# KiCad board mist1010.kicad_pcb (continued)
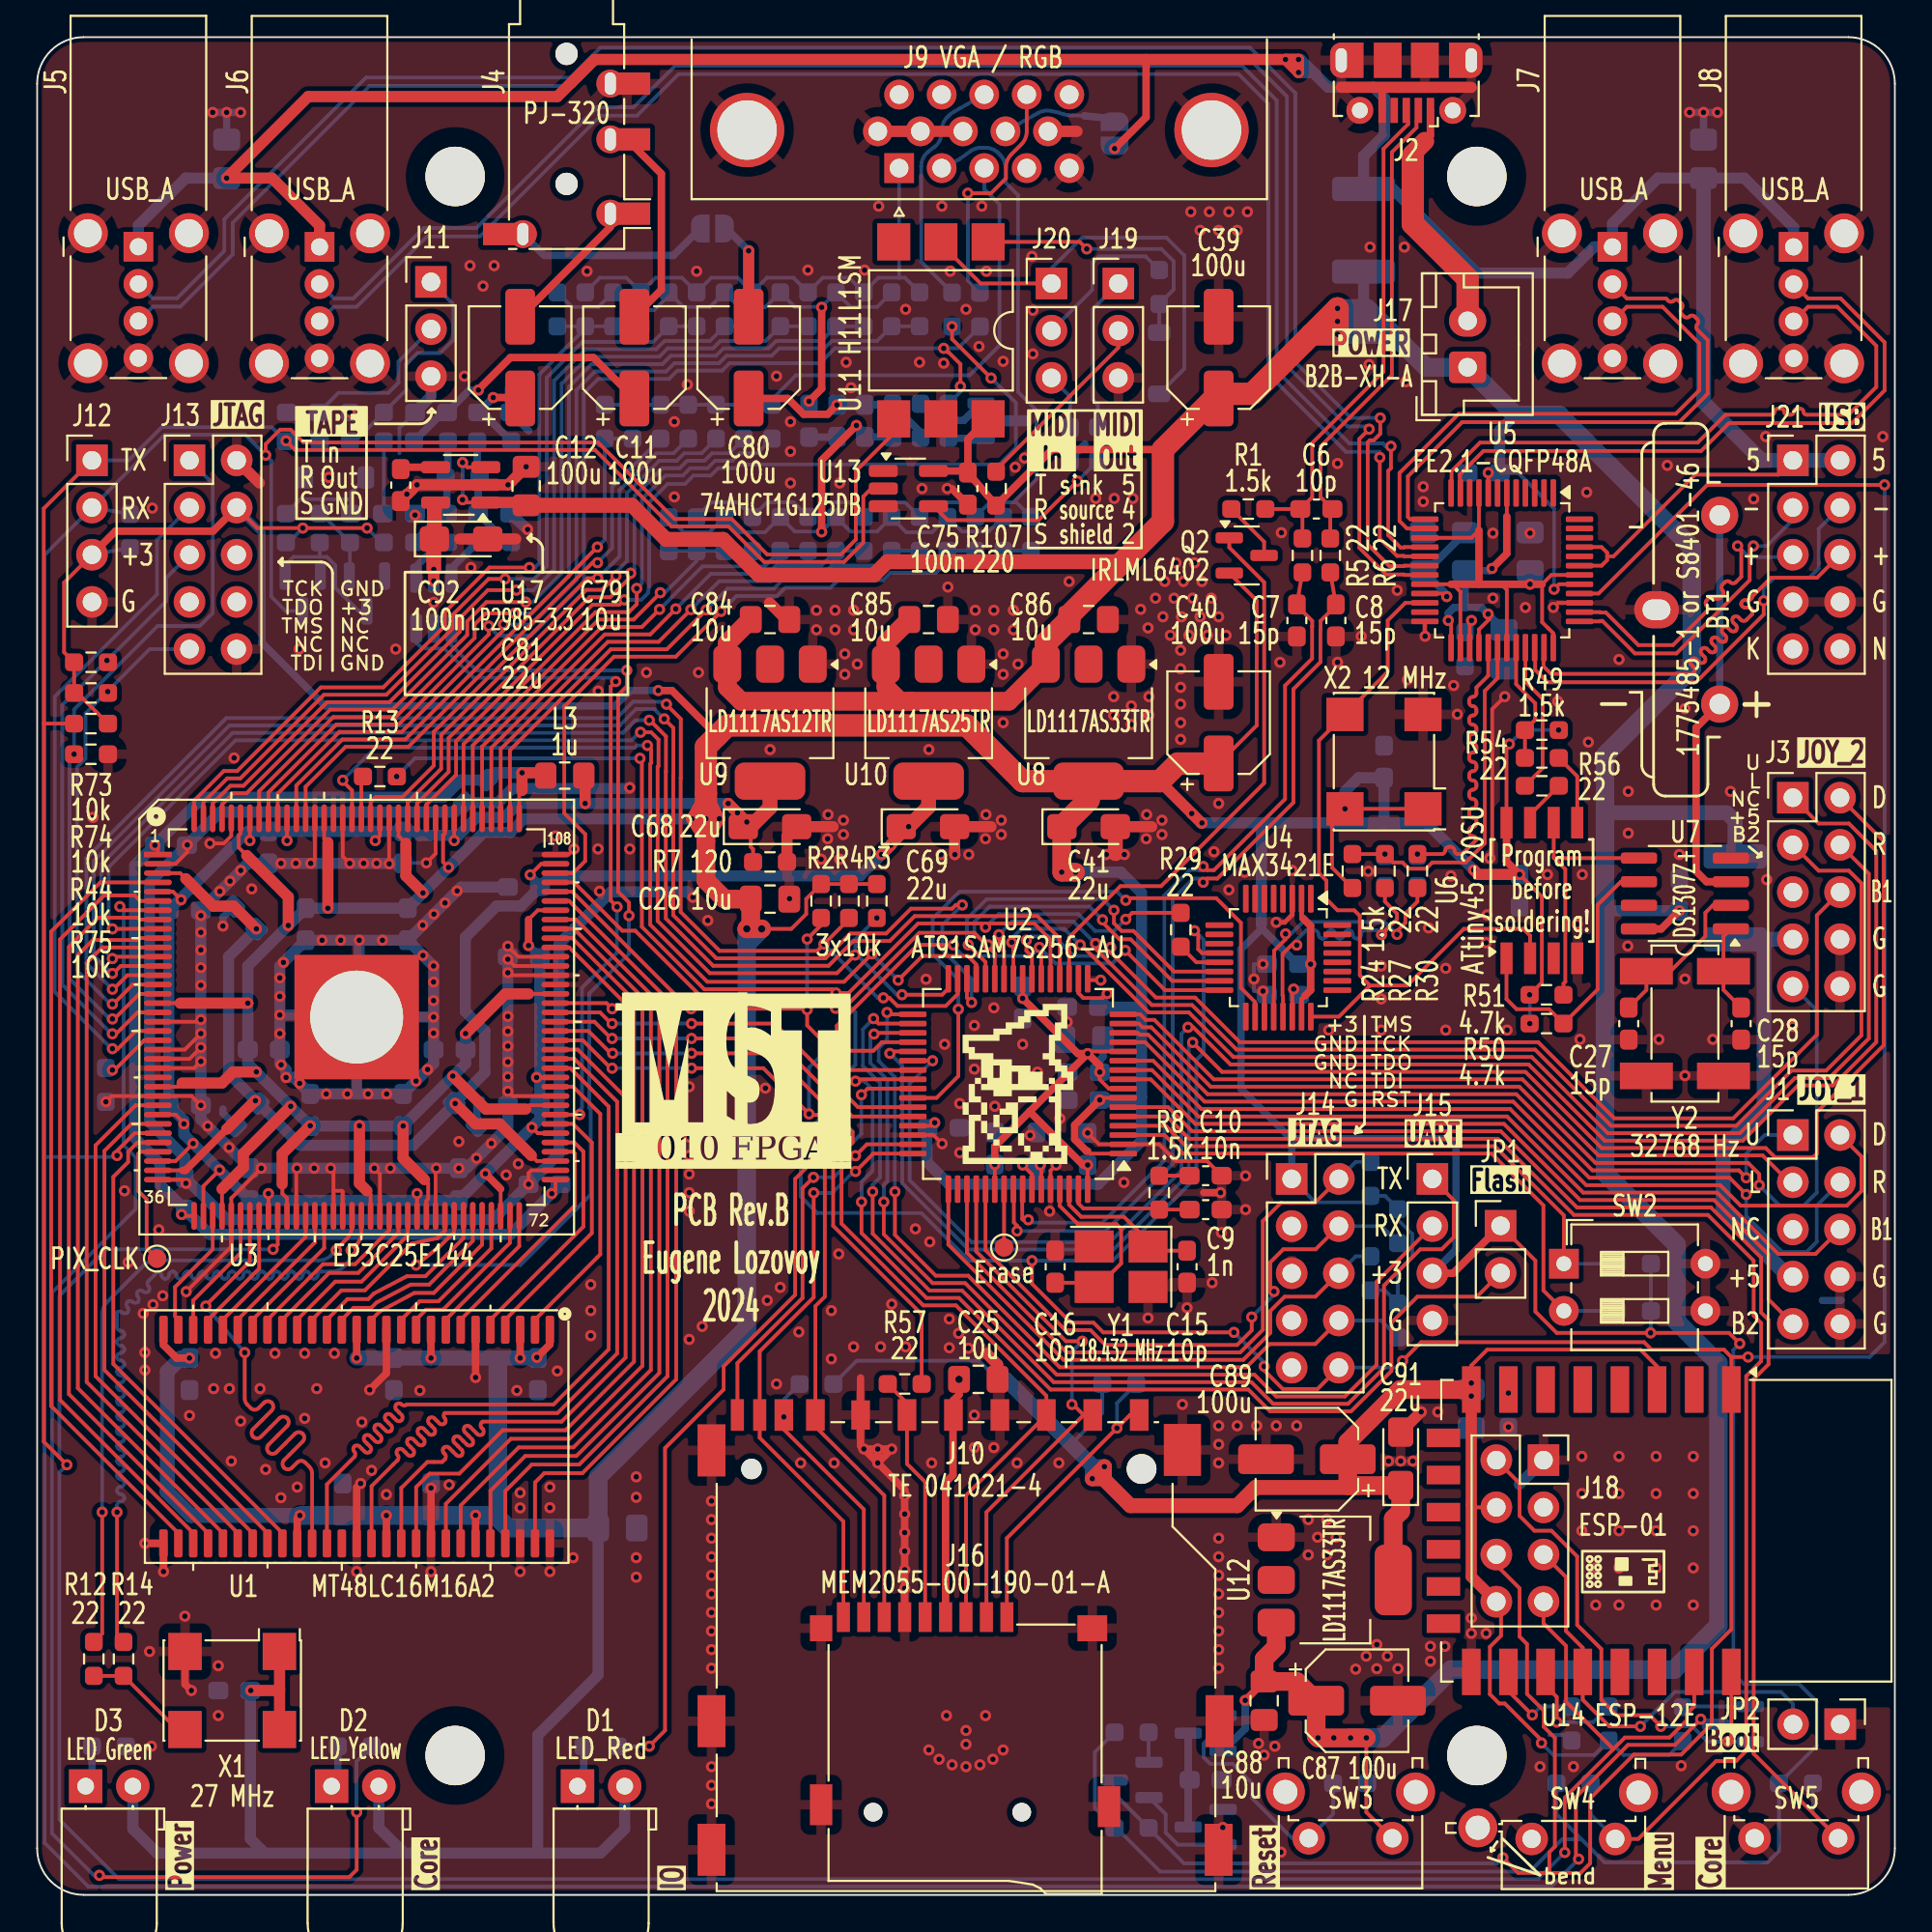
[diagram p0: board, top side]
## Routing (per net, layer and track width the routed paths; a pad name or vN(x,y) marks a point on that pad's centre or on a via; arc(x,y) is an arc through that point) (continued)
  Top w0.2: U3.79 28.85,41.5 29.86,40.49 29.86,35.62 25.2,30.96
/RAM_DQ2: length 12.8
  Top w0.2: 24.4,30.96 29.4,35.97 29.4,40.01 28.92,40.5 U3.77
/RAM_DQ3: length 13.1
  Top w0.2: U1.7 22.8,30.96 28.95,37.11 28.95,39.9 28.85,40 U3.76
/RAM_DQ4: length 7.2
  Top w0.2: U3.72 25.95,34.91 22,30.96
/RAM_DQ5: length 8.2
  Top w0.2: U3.71 25.45,35.1 21.85,31.5 20.94,31.5 20.4,30.96
/RAM_DQ6: length 8.2
  Top w0.2: U3.69 24.45,34.8 21.6,31.95 20.59,31.95 19.6,30.96
/RAM_DQ7: length 9
  Top w0.2: 18,30.96 18.44,31.41 20.3,32.4 21.35,32.4 23.95,35 U3.68
/RAM_DQ8: length 41.8
  Top w0.2: U3.86 28.92,45 31.22,42.69 31.22,29.14 28.01,25.94 21.94,25.94 arc(21.88,25.8) 21.94,25.66 arc(21.99,25.52) 21.94,25.39 21.93,25.38 arc(21.79,25.32) 21.65,25.38 21.38,25.65 arc(21.24,25.71) 21.1,25.65 21.1,25.65 arc(21.04,25.51) 21.1,25.37 21.37,25.1 arc(21.43,24.96) 21.37,24.82 21.36,24.81 arc(21.23,24.76) 21.09,24.81 20.81,25.09 arc(20.68,25.15) 20.54,25.09 20.53,25.08 arc(20.47,24.94) 20.53,24.81 20.81,24.53 arc(20.86,24.39) 20.81,24.25 20.8,24.25 arc(20.66,24.19) 20.52,24.25 20.25,24.52 arc(20.11,24.58) 19.97,24.52 19.96,24.52 arc(19.91,24.38) 19.96,24.24 20.24,23.96 arc(20.3,23.83) 20.24,23.69 20.23,23.68 arc(20.1,23.62) 19.96,23.68 19.68,23.96 arc(19.54,24.01) 19.41,23.96 19.4,23.95 arc(19.34,23.81) 19.4,23.67 arc(19.46,23.54) 19.4,23.4 18,22 U1.42
/RAM_DQ9: length 41.4
  Top w0.2: U1.44 19.6,21.9 21,23.3 21.8,23.3 21.95,23.45 arc(22,23.59) 21.95,23.73 21.89,23.78 arc(21.83,23.93) 21.89,24.07 arc(22.03,24.13) 22.17,24.07 22.57,23.67 arc(22.71,23.61) 22.85,23.67 arc(22.91,23.81) 22.85,23.95 22.45,24.35 arc(22.4,24.49) 22.45,24.63 arc(22.6,24.69) 22.74,24.63 23.13,24.24 arc(23.27,24.18) 23.42,24.24 arc(23.47,24.38) 23.42,24.52 23.02,24.92 arc(22.96,25.06) 23.02,25.2 arc(23.16,25.26) 23.3,25.2 23.7,24.8 arc(23.84,24.74) 23.98,24.8 arc(24.04,24.94) 23.98,25.09 23.92,25.14 arc(23.87,25.28) 23.92,25.42 23.97,25.47 28.23,25.47 31.67,28.92 31.67,42.93 29.1,45.5 U3.87
/RAM_DQ10: length 42
  Top w0.2: U1.45 20.4,21.95 21.13,22.67 22.72,22.67 25.06,25.01 28.44,25.01 32.13,28.7 32.13,47.51 28.64,51 U3.98
/RAM_DQ11: length 41.3
  Top w0.2: U1.47 22,21.05 25.5,24.55 28.65,24.55 32.58,28.48 32.58,47.72 28.8,51.5 U3.99
/RAM_DQ12: length 41.8
  Top w0.2: U1.48 22.8,20.97 25.92,24.09 28.87,24.09 33.04,28.26 33.04,47.86 28.9,52 U3.100
/RAM_DQ13: length 41.9
  Top w0.2: U3.101 29,52.5 33.49,48.01 33.49,28.09 29.03,23.62 26.28,23.62 24.4,21.75 U1.50
/RAM_DQ14: length 42.6
  Top w0.2: 26.62,23.16 29.18,23.16 33.93,27.91 33.93,48.2 28.64,53.5 U3.103 ; 26.62,23.15 25.2,21.74 U1.51
/RAM_DQ15: length 42.6
  Top w0.2: U1.53 26.8,22.2 27.3,22.7 29.35,22.7 34.4,27.75 34.4,27.78 34.4,48.4 28.8,54 U3.104
/RAM_DQMH: length 43.6
  Top w0.2: U3.85 28.7,44.5 30.77,42.43 30.77,29.37 27.8,26.4 19.9,26.4 arc(19.76,26.34) 19.62,26.4 arc(19.48,26.46) 19.33,26.4 arc(19.28,26.26) 19.33,26.12 19.62,25.83 arc(19.68,25.69) 19.62,25.55 arc(19.48,25.49) 19.33,25.55 19.05,25.83 arc(18.91,25.89) 18.77,25.83 arc(18.71,25.69) 18.77,25.55 19.05,25.27 arc(19.11,25.13) 19.05,24.99 arc(18.91,24.93) 18.77,24.99 18.49,25.27 arc(18.34,25.33) 18.2,25.27 arc(18.14,25.13) 18.2,24.99 18.49,24.7 arc(18.54,24.56) 18.49,24.42 arc(18.34,24.36) 18.2,24.42 17.92,24.7 arc(17.78,24.76) 17.64,24.7 arc(17.58,24.56) 17.64,24.42 17.92,24.14 arc(17.98,24) 17.92,23.85 arc(17.78,23.8) 17.64,23.85 17.35,24.14 arc(17.21,24.2) 17.07,24.14 arc(17.01,24) 17.07,23.85 arc(17.13,23.71) 17.07,23.57 15.6,22.1 U1.39
/RAM_DQML: length 10
  Top w0.2: U3.67 23.45,35.2 21.1,32.85 20.1,32.85 18.27,31.88 17.98,31.6 17.04,31.6 16.4,30.96
/RTC_DN: length 6.6
  Top w0.2: R54.2 R49.2 80.64,63.25 80.64,64.14 79.61,65.17 U5.32
/RTC_DP: length 8.2
  Top w0.2: R56.2 81.04,60.65 81.04,64.38 80.11,65.31 U5.33
/RX_ARM: length 53
  Top w0.2: v1(45.05,46.34) 45.11,46.4 U2.35 ; v1(45.57,37.3) 45.57,35.56 48.2,32.93 49.95,32.93 54.88,28 65.53,28 66.7,26.83 70.4,26.83 72.1,28.53 72.1,32.99 J15.2
  Bottom w0.2: v1(45.05,46.34) 44.85,46.14 44.85,44.78 45.77,43.86 45.77,38.42 45.57,38.22 v1(45.57,37.3)
/RX_FPGA: length 243
  Top w0.2: v1(82.98,1.92) 82.83,2.07 82.83,5.27 85.64,8.07 88.16,8.07 v1(89.55,9.46) ; v1(12.3,77.5) 12.3,78.09 13.08,78.87 13.65,78.87 14.34,78.18 30.2,78.18 34.31,74.06 37.39,74.06 39.3,72.15 43.26,72.15 44.07,72.96 44.07,76.64 46.11,78.68 U11.4 ; U3.31 5.25,41 4.3,40.05 v1(4.3,39.8)
  Bottom w0.2: 0.4,39.71 4.21,39.71 v1(4.3,39.8) ; v1(89.55,9.46) 89.82,9.19 Q3.3 ; J12.2 R48.1 ; J12.2 0.4,72.13 0.4,2.8 2.75,0.45 81.5,0.45 v1(82.98,1.92) ; J12.2 6.87,78.6 11.2,78.6 12.6,77.2 12.6,69.89 13.38,69.11 Q1.3
/SCK: length 85.8
  Top w0.2: v1(58.6,52.51) 58.95,52.86 R29.1 ; U2.21 54.55,51.41 53.67,52.29 51.25,52.29 v1(51.05,52.09) 50.85,52.29 47.42,52.29 43.68,48.55 v1(43,48.55) 42.8,48.75 35.91,48.75 32.55,52.11 32.55,61.08 v1(32.45,61.18) ; R57.1 47.61,31.25 42.85,36.01 42.85,40.34 v1(43.3,40.79)
  Bottom w0.2: v1(58.6,52.51) 57.97,51.89 56.95,51.89 56.04,52.8 51.76,52.8 v1(51.05,52.09) ; v1(19.35,60.2) 20.33,61.18 v1(32.45,61.18) ; v1(43,48.55) 44.05,47.5 44.05,44.69 43.45,44.09 43.45,40.94 v1(43.3,40.79)
/SD_CD: length 32.1
  Top w0.2: v1(41.8,37.79) 41.8,32.17 38.9,29.26 38.9,25.72 38.9,24.6 43.4,20.1 J16.9 ; v1(44.05,38.94) 45.01,39.9 U2.48
  Bottom w0.2: v1(44.05,38.94) 43.96,38.94 42.81,37.79 v1(41.8,37.79)
/SD_CLK: length 13.4
  Top w0.2: J16.5 47.8,22.23 46.82,23.2 46.82,26.46 R57.2
/SD_DAT1: length 14.7
  Top w0.2: v1(40.19,25.72) 40.19,25.05 44.5,20.75 J16.8
  Bottom w0.2: v1(40.19,25.72) 40.19,26.66 R64.2
/SD_DAT2: length 16.9
  Top w0.2: J16.1 52.2,19.2 58.83,25.83 J10.9
  Bottom w0.2: v1(58.12,25.12) 58.12,26.46 R53.2
/SD_VDD: length 13.1
  Top w0.4: 49.3,25.7 49.3,22.6 48.9,22.2 J16.4 ; v2(49.62,27.75) 49.62,26.92 49.32,26.62 49.32,25.72
/SD_WP: length 20.7
  Top w0.2: U2.47 44.66,40.4 v1(44.05,39.79) ; v1(41.79,38.62) 41.2,38.04 41.2,32.13 37.69,28.62 37.69,25.72
  Bottom w0.2: v1(44.05,39.79) 42.89,38.62 v1(41.79,38.62)
/SS0: length 19.7
  Top w0.2: U4.14 61.2,49.7 59.01,51.89 58.38,51.89 57.96,52.3 57.96,53 v1(57.96,53) ; U2.28 51.05,50.21 v1(50.12,51.14)
  Bottom w0.2: v1(50.12,51.14) 50.05,51.21 50.05,52.54 51.11,53.6 57.37,53.6 v1(57.96,53)
/SS1: length 29.1
  Top w0.2: 56.33,25.83 51.1,20.6 J16.2 ; 56.33,25.83 55.76,26.4 v1(55.7,26.4) ; 56.33,25.83 J10.1 ; v1(56.26,29.8) 55.38,29.8 50.55,34.63 U2.52
  Bottom w0.2: v1(56.26,29.8) 55.7,29.24 v1(55.7,26.4)
/SS2/FPGA: length 50.7
  Top w0.2: U2.29 50.55,50.09 50.1,50.54 47.65,50.54 v1(46.35,49.24) ; v1(44.94,50.65) 43.43,49.15 36.08,49.15 33,52.22 33,60.88 33.05,60.93 33.05,61.67 v1(32.85,61.87) ; v1(16.45,60) 16.45,59.95 16.95,59.45 U3.127
  Bottom w0.2: v1(32.85,61.87) 32.29,61.87 32.16,61.75 18.2,61.75 v1(16.45,60) ; v1(46.35,49.24) v1(44.94,50.65)
/SS3/OSD: length 21.4
  Top w0.2: U3.91 30.3,47.5 30.9,46.9 v1(30.95,46.9) ; v1(35.22,46.9) 39.69,46.9 44.19,42.4 U2.43
  Bottom w0.2: 31.05,46.9 v1(30.95,46.9) v1(35.22,46.9)
/SS4/SD_DIRECT: length 21.3
  Top w0.2: v1(35.22,46.1) 39.68,46.1 43.88,41.9 U2.44 ; v1(30.95,46.1) 30.9,46.1 30,47 U3.90
  Bottom w0.2: v1(35.22,46.1) v1(30.95,46.1)
/Switch1: length 31.2
  Top w0.2: SW2.1 82.18,36.58 78.46,40.3 61.85,40.3 60.75,41.4 U2.4
  Bottom w0.2: R60.2 SW2.1
/Switch2: length 33.2
  Top w0.2: SW2.2 81.08,32.53 81.08,37.11 78.3,39.9 61.68,39.9 60.68,40.9 U2.3
  Bottom w0.2: R61.2 SW2.2
/TAPE_IN: length 12.3
  Bottom w0.2: J11.1 22.4,85.62 22.4,83.7 21.7,83 20.48,83 19.85,82.37 19.85,80.99 R67.1 17.11,78.25 R65.1
/TAPE_OUT: length 8.6
  Bottom w0.2: C23.1 16.21,80.85 18.9,80.85 19.45,81.4 19.45,82.53 J11.2
/TX_ARM: length 59.6
  Top w0.2: J15.1 76.25,37.39 76.25,35.4 75.6,34.75 74.45,34.75 72.5,32.8 72.5,28.37 70.56,26.43 66.54,26.43 65.37,27.6 54.72,27.6 49.79,32.53 48.04,32.53 44.97,35.59 v1(44.97,37.85) ; U2.34 45.29,46.9 v1(45.02,47.17)
  Bottom w0.2: v1(44.97,37.85) 44.97,38.22 45.37,38.62 45.37,43.7 44.45,44.62 44.45,46.6 v1(45.02,47.17)
/TX_FPGA: length 256.6
  Top w0.2: 84.85,7.85 82.23,5.23 v1(82.23,2.28) ; 84.85,7.85 85.47,8.47 87.87,8.47 88.8,9.4 88.8,9.75 89.2,10.15 U14.21 ; 84.85,7.85 82.3,10.4 82.3,13.4 81.09,14.61 J18.7 ; v1(13.4,78.27) 13.89,77.78 30.03,77.78 34.15,73.66 37.22,73.66 39.13,71.75 43.43,71.75 44.47,72.79 44.47,75.27 44.9,75.7 45.97,75.7 ; U3.46 12.95,35 v1(12.7,34.75) ; 0.35,63.05 0.35,74.62 J12.1 ; 0.35,63.05 R44.2 ; 0.35,63.05 0.35,24.4 v1(1.6,23.15)
  Bottom w0.2: v1(82.23,2.28) 80.8,0.85 4.4,0.85 1.2,4.05 1.2,22.75 v1(1.6,23.15) 1.2,23.55 1.2,32.25 3.7,34.75 v1(12.7,34.75) ; J12.1 4.92,77.22 6.7,79 12.64,79 R52.1
/UDN: length 24.8
  Top w0.2: 74.25,95.48 74.25,95.13 72.93,93.81 72.93,81.81 69.09,77.97 69.09,75.24 C6.2 ; R6.1 69.61,74.49
/UDP: length 26.6
  Top w0.2: 73.8,95.48 73.8,95.32 72.47,93.99 72.47,81.99 68.63,78.15 68.63,75.24 C6.1 R1.2 ; R5.1 68.11,74.49
/USB1_DN: length 101.3
  Top w0.2: v1(72.3,79.5) 72.3,78.86 72.3,78.65 71.95,78.3 71.74,78.3 71.62,78.19 71.62,72.69 72.79,71.52 73.57,71.52 73.59,71.55 U5.18
  Bottom w0.2: v1(72.3,79.5) 70.72,79.5 67.72,82.49 67.72,96.99 65.29,99.43 30.31,99.43 28.71,97.82 17.71,97.82 10.08,90.19 10.08,88.49 7.53,85.95 6.22,85.95 J5.2
/USB1_DP: length 100.7
  Top w0.2: v1(71.7,78.9) 71.18,78.38 71.18,72.51 72.61,71.07 73.57,71.07 73.59,71.05 U5.19
  Bottom w0.2: v1(71.7,78.9) 71.55,79.05 70.53,79.05 67.28,82.31 67.28,96.81 65.1,98.98 30.5,98.98 28.89,97.38 17.89,97.38 10.53,90.01 10.53,88.31 7.71,85.49 6.22,85.49 J5.3
/USB2_DN: length 87.3
  Top w0.2: v1(72.88,77.98) 72.88,76.8 72.72,76.65 72.72,73.19 73.39,72.52 73.57,72.52 73.59,72.55 U5.16
  Bottom w0.2: J6.2 15.97,85.94 17.02,85.94 20.81,89.72 23.65,89.72 30.15,96.22 32.11,96.22 34.34,98.46 64.86,98.46 66.72,96.59 66.72,82.04 70.64,78.12 72.44,78.12 72.59,77.98 v1(72.88,77.98)
/USB2_DP: length 87
  Top w0.2: U5.17 73.59,72.05 73.57,72.07 73.21,72.07 72.28,73.01 72.28,77.37 v1(72.27,77.37)
  Bottom w0.2: v1(72.27,77.37) 72.27,77.66 72.26,77.67 70.46,77.67 66.28,81.86 66.28,96.41 64.67,98.01 34.53,98.01 32.29,95.77 30.33,95.77 23.83,89.27 20.99,89.27 17.2,85.48 15.97,85.48 J6.3
/USB3_DN: length 31.3
  Top w0.2: J7.2 85.57,85.94 87.68,85.94 87.81,85.81 arc(87.95,85.75) 88.09,85.81 arc(88.23,85.87) 88.37,85.81 88.52,85.67 arc(88.57,85.53) 88.52,85.38 arc(88.46,85.24) 88.52,85.1 88.66,84.96 arc(88.8,84.9) 88.94,84.96 arc(89.08,85.02) 89.22,84.96 89.36,84.82 arc(89.42,84.68) 89.36,84.54 arc(89.31,84.39) 89.36,84.25 89.93,83.69 89.93,80.81 88.39,79.27 76.71,79.27 73.79,76.36 73.79,74.17 73.91,74.05 U5.13
/USB3_DP: length 30.4
  Top w0.2: J7.3 85.57,85.48 87.5,85.48 89.47,83.51 89.47,80.99 88.21,79.72 76.52,79.72 73.34,76.54 73.34,73.95 73.74,73.55 U5.14
/USB4_DN: length 33.9
  Top w0.2: 76.59,76.07 76.59,76.46 77.86,77.73 89.57,77.73 91.07,79.22 97.69,79.22 99.45,80.98 99.45,83.57 97.08,85.94 95.32,85.94 J8.2
/USB4_DP: length 33.9
  Top w0.2: 76.14,76.07 76.14,76.64 77.67,78.17 89.39,78.17 90.89,79.67 93.36,79.67 arc(93.48,79.72) 93.52,79.83 arc(93.57,79.95) 93.68,79.99 93.88,79.99 arc(94,79.95) 94.04,79.83 arc(94.09,79.72) 94.2,79.67 94.4,79.67 arc(94.52,79.72) 94.56,79.83 arc(94.61,79.95) 94.72,79.99 94.92,79.99 arc(95.04,79.95) 95.08,79.83 arc(95.13,79.72) 95.24,79.67 97.51,79.67 99,81.17 99,83.38 96.9,85.48 95.32,85.48 J8.3
/USB6_DN: length 23.2
  Top w0.2: v1(92.94,69.66) 92.94,68.92 89.29,65.27 81.31,65.27 80.64,65.94 80.64,66.52
  Bottom w0.2: J21.4 95.9,73.53 95.9,71.4 95.4,70.9 93.5,70.9 92.94,70.34 v1(92.94,69.66)
/USB6_DP: length 24.9
  Top w0.2: 81.09,66.52 81.09,66.13 81.49,65.72 89.11,65.72 89.18,65.8 arc(89.24,65.94) 89.18,66.08 89.04,66.22 arc(88.98,66.37) 89.04,66.51 arc(89.18,66.57) 89.32,66.51 89.46,66.37 arc(89.61,66.31) 89.75,66.37 arc(89.81,66.51) 89.75,66.65 89.61,66.79 arc(89.55,66.93) 89.61,67.07 arc(89.75,67.13) 89.89,67.07 90.03,66.93 arc(90.17,66.87) 90.31,66.93 arc(90.37,67.07) 90.31,67.21 90.17,67.36 arc(90.11,67.5) 90.17,67.64 arc(90.31,67.7) 90.45,67.64 90.6,67.5 arc(90.74,67.44) 90.88,67.5 arc(90.94,67.64) 90.88,67.78 90.74,67.92 arc(90.68,68.06) 90.74,68.2 arc(90.88,68.26) 91.02,68.2 91.16,68.06 arc(91.3,68) 91.44,68.06 arc(91.5,68.2) 91.44,68.35 91.3,68.49 arc(91.24,68.63) 91.3,68.77 arc(91.44,68.83) 91.59,68.77 91.73,68.63 arc(91.87,68.57) 92.01,68.63 92.33,68.95 92.33,69.1 arc(92.27,69.24) 92.13,69.3 91.93,69.3 arc(91.79,69.35) 91.73,69.5 arc(91.79,69.64) 91.93,69.7 92.13,69.7 arc(92.27,69.75) 92.33,69.9 93.33,70.9 95.81,70.9 J21.6
/USB7_DN: length 16.2
  Top w0.2: U5.37 84.13,68.55 84.16,68.57 84.26,68.57 86.01,66.82 88.24,66.82 92.19,70.77 92.19,72.41 v1(92.38,72.61)
  Bottom w0.2: 94.51,74.01 93.11,72.61 v1(92.38,72.61)
/USB7_DP: length 16.8
  Top w0.2: U5.38 84.13,69.05 84.16,69.02 84.44,69.02 86.19,67.27 88.06,67.27 89.87,69.09 arc(89.93,69.24) 89.87,69.39 arc(89.81,69.53) 89.87,69.68 90,69.81 arc(90.15,69.87) 90.3,69.81 arc(90.44,69.75) 90.59,69.81 90.72,69.94 arc(90.78,70.09) 90.72,70.23 arc(90.66,70.38) 90.72,70.53 90.85,70.66 arc(91,70.72) 91.14,70.66 arc(91.29,70.6) 91.44,70.66 91.73,70.95 91.73,72.41 v1(91.53,72.61)
  Bottom w0.2: v1(91.53,72.61) 92.13,72.01 94.38,72.01
/USBDEV_DN: length 48.6
  Top w0.2: 52.57,37.96 52.57,36.19 52.75,36.02 v1(52.75,35.74) ; v1(62.77,54.51) 62.97,54.71 63.53,54.71 67.63,58.8 67.63,64.91 69.08,66.36 69.08,68.11 69.09,68.12 69.09,68.57 69.91,69.4 C8.1 R6.2
  Bottom w0.2: v1(62.77,54.51) 62.57,54.71 62.23,54.71 61.12,53.61 61.12,39.34 57.52,35.74 v1(52.75,35.74)
/USBDEV_DP: length 46.9
  Top w0.2: 53.03,37.96 53.03,36.38 53.07,36.34 v1(53.35,36.34) ; v1(62.77,55.36) 62.97,55.16 63.35,55.16 67.17,58.99 67.17,65.09 68.63,66.55 68.63,68.28 68.63,68.29 68.63,68.57 67.81,69.4 C7.1 R5.2
  Bottom w0.2: v1(53.35,36.34) 53.5,36.19 57.33,36.19 60.68,39.53 60.68,53.79 62.04,55.16 62.57,55.16 v1(62.77,55.36)
/USBH_INT: length 35.3
  Top w0.2: v1(58.6,53.54) 58.71,53.65 63.47,53.65 64.8,52.32 64.8,48.82 65.56,48.06 U4.18 ; v1(49.59,47.68) 49.59,44.07 48.41,42.9 U2.42
  Bottom w0.2: v1(58.6,53.54) 58.14,54 49.65,54 48.2,52.55 48.2,50.64 49.59,49.25 v1(49.59,47.68)
/USBHOST_DN: length 18.1
  Top w0.2: U5.29 78.11,65.63 77.47,64.99 77.47,64.68 arc(77.42,64.55) 77.28,64.49 arc(77.14,64.43) 77.09,64.29 77.09,64.18 arc(77.14,64.05) 77.28,63.99 arc(77.42,63.93) 77.47,63.79 77.47,63.68 arc(77.42,63.55) 77.28,63.49 arc(77.14,63.43) 77.09,63.29 77.09,63.18 arc(77.14,63.05) 77.28,62.99 arc(77.42,62.93) 77.47,62.79 77.47,62.68 arc(77.42,62.55) 77.28,62.49 arc(77.14,62.43) 77.09,62.29 77.09,62.18 arc(77.14,62.05) 77.28,61.99 arc(77.42,61.93) 77.47,61.79 77.47,61.68 arc(77.42,61.55) 77.28,61.49 arc(77.14,61.43) 77.09,61.29 77.09,61.18 arc(77.14,61.05) 77.28,60.99 arc(77.42,60.93) 77.47,60.79 77.47,60.68 arc(77.42,60.55) 77.28,60.49 arc(77.14,60.43) 77.09,60.29 77.09,60.18 arc(77.14,60.05) 77.28,59.99 arc(77.42,59.93) 77.47,59.79 77.47,59.68 arc(77.42,59.55) 77.28,59.49 arc(77.14,59.43) 77.09,59.29 77.09,59.18 arc(77.14,59.05) 77.28,58.99 arc(77.42,58.93) 77.47,58.79 77.47,58.68 arc(77.42,58.55) 77.28,58.49 arc(77.14,58.43) 77.09,58.29 77.09,58.18 arc(77.14,58.05) 77.28,57.99 arc(77.42,57.93) 77.47,57.79 77.47,57.68 arc(77.42,57.55) 77.28,57.49 arc(77.14,57.43) 77.09,57.29 77.09,57.18 arc(77.14,57.05) 77.28,56.99 arc(77.42,56.93) 77.47,56.79 76.71,56.02 76.49,56.02 arc(76.35,56.08) 76.29,56.22 arc(76.24,56.36) 76.1,56.41 75.99,56.41 arc(75.85,56.36) 75.79,56.22 arc(75.74,56.08) 75.6,56.02 v1(74.3,56.02)
/USBHOST_DP: length 18.8
  Top w0.2: U5.30 78.61,65.49 77.93,64.81 77.93,56.61 76.89,55.57 75.1,55.57 74.77,55.24 73.83,55.24 73.5,55.57 73,55.57 v1(72.55,56.02) R24.2
/VGA_B0: length 30.6
  Top w0.2: v1(32.28,70.32) 32.28,69.48 31.85,69.05 30.06,69.05 22.95,61.94 U3.115
  Bottom w0.2: R41.1 38.76,77.6 37.83,77.6 37.43,77.2 36.49,77.2 36.09,76.8 35.16,76.8 34.76,76.4 33.83,76.4 32.55,75.12 32.55,70.6 v1(32.28,70.32)
/VGA_B1: length 30
  Top w0.2: v1(31.95,71.15) 31.95,70.95 30.85,69.85 29.73,69.85 22.15,62.27 22.15,60.45 20.45,58.75 U3.120
  Bottom w0.2: R40.1 37.26,77.6 36.33,77.6 35.93,77.2 34.99,77.2 34.59,76.8 33.66,76.8 32.15,75.29 32.15,71.35 v1(31.95,71.15)
/VGA_B2: length 28.9
  Top w0.2: v1(31.15,71) 30.4,70.25 29.56,70.25 21.75,62.44 21.75,60.62 19.95,58.82 U3.121
  Bottom w0.2: R39.1 35.76,77.6 34.83,77.6 34.43,77.2 33.49,77.2 31.75,75.46 31.75,71.79 31.15,71.2 v1(31.15,71)
/VGA_B3: length 29.2
  Top w0.2: U3.125 17.95,58.82 18.22,59.1 19.67,59.1 21.35,60.78 21.35,62.6 29.62,70.87 v1(30.18,70.87)
  Bottom w0.2: R37.1 34.26,77.6 33.33,77.6 31.35,75.62 31.35,72.05 v1(30.18,70.87)
/VGA_B4: length 30.5
  Top w0.2: U3.132 14.45,59.65 16.6,61.8 19.98,61.8 29.89,71.71 v1(30.16,71.71)
  Bottom w0.2: v1(30.16,71.71) 30.95,72.5 30.95,75.79 R35.1
/VGA_B5: length 30.8
  Top w0.2: U3.133 13.95,59.72 16.43,62.2 19.82,62.2 29.58,71.97 29.58,71.98 v1(30.16,72.55)
  Bottom w0.2: v1(30.16,72.55) 30.55,72.94 R33.1 R34.1
/VGA_G0: length 39.3
  Top w0.2: U3.106 28.85,55 29.5,55.65 29.5,57.1 28.38,58.22 28.38,63.97 31.05,66.65 34.38,66.65 v1(36.81,69.09)
  Bottom w0.2: v1(36.81,69.09) 37.64,69.91 39.82,69.91 40.27,70.36 42.71,70.36 43.11,70.76 45.54,70.76 45.94,71.16 48.38,71.16 48.78,71.56 51.21,71.56 R90.1 R32.1
/VGA_G1: length 33.2
  Top w0.2: U3.110 25.45,61.62 30.89,67.05 33.9,67.05 v1(36.02,69.17)
  Bottom w0.2: v1(36.02,69.17) 37.16,70.31 39.66,70.31 40.11,70.76 42.54,70.76 42.94,71.16 45.38,71.16 45.78,71.56 48.21,71.56 R88.1 R31.1
/VGA_G2: length 30.7
  Top w0.2: v1(35.19,69.19) 33.45,67.45 30.72,67.45 24.95,61.68 U3.111
  Bottom w0.2: v1(35.19,69.19) 36.71,70.71 39.49,70.71 39.94,71.16 42.38,71.16 42.78,71.56 45.21,71.56 R87.1 R28.1
/VGA_G3: length 28.2
  Top w0.2: U3.112 24.45,61.75 30.55,67.85 33,67.85 v1(34.38,69.22)
  Bottom w0.2: R26.1 R86.1 42.21,71.56 39.78,71.56 39.33,71.11 36.27,71.11 v1(34.38,69.22)
/VGA_G4: length 25.8
  Top w0.2: v1(33.5,69.2) 32.55,68.25 30.39,68.25 23.95,61.81 U3.113
  Bottom w0.2: R25.1 R85.1 39.16,71.51 35.82,71.51 v1(33.5,69.2)
/VGA_G5: length 25.1
  Top w0.2: v1(33.54,70.1) 33.54,70.09 32.11,68.65 30.22,68.65 23.45,61.88 U3.114
  Bottom w0.2: 35.5,72.35 35.5,71.81 33.79,70.1 v1(33.54,70.1) ; 35.5,72.35 38.5,72.35 ; 35.5,72.35 34,72.35
/VGA_HS: length 52.2
  Top w0.2: U3.119 20.95,58.69 22.55,60.29 22.55,62.11 29.89,69.45 31.34,69.45 v1(31.6,69.71) ; v1(51.35,81.65) 49.25,83.75 v1(49.25,84.42)
  Bottom w0.2: v1(51.35,81.65) 52.69,80.31 52.69,77.89 51.8,77 37.79,77 37.59,76.8 36.66,76.8 36.26,76.4 35.33,76.4 34.88,75.95 33.94,75.95 32.95,74.96 32.95,70.5 32.88,70.08 32.51,69.71 v1(31.6,69.71)
/VGA_R0: length 52.5
  Top w0.2: U3.135 12.95,59.28 16.27,62.6 19.62,62.6 25.1,68.08 v1(25.1,68.39)
  Bottom w0.2: R21.1 R82.1 45.21,83.65 42.78,83.65 42.38,83.25 39.94,83.25 39.54,82.85 37.11,82.85 36.71,82.45 34.3,82.45 33.85,82 30.03,82 29.03,81 29.03,70.78 26.64,68.39 v1(25.1,68.39)
/VGA_R1: length 50.8
  Top w0.2: U3.137 11.95,59.41 15.94,63.4 19.29,63.4 23.55,67.66 23.55,68.39 24.15,68.99 v1(25.7,68.99)
  Bottom w0.2: v1(25.7,68.99) 26.65,68.99 28.63,70.97 28.63,81.18 29.85,82.4 33.66,82.4 34.11,82.85 36.54,82.85 36.94,83.25 39.38,83.25 39.78,83.65 42.21,83.65 R81.1 R20.1
/VGA_R2: length 49.4
  Top w0.2: v1(26.3,69.59) 24.18,69.59 23.15,68.56 23.15,67.82 19.13,63.8 15.77,63.8 11.27,59.3 10.56,59.3 9.95,58.69 U3.141
  Bottom w0.2: R19.1 R80.1 39.21,83.65 36.78,83.65 36.38,83.25 33.94,83.25 33.49,82.8 29.68,82.8 28.23,81.34 28.23,71.13 26.68,69.59 v1(26.3,69.59)
/VGA_R3: length 46.9
  Top w0.2: v1(25.8,70.23) 24.26,70.23 22.75,68.72 22.75,67.99 18.96,64.2 15.61,64.2 11.11,59.7 10.4,59.7 9.45,58.75 U3.142
  Bottom w0.2: v1(25.8,70.23) 26.72,70.23 27.83,71.35 27.83,81.51 29.52,83.2 33.33,83.2 33.78,83.65 36.21,83.65 R79.1 R18.1
/VGA_R4: length 44.4
  Top w0.2: U3.143 8.95,58.82 10.23,60.1 10.94,60.1 15.44,64.6 18.8,64.6 22.35,68.15 22.35,68.89 24.3,70.84 v1(25.19,70.84)
  Bottom w0.2: v1(25.19,70.84) 26.75,70.84 27.43,71.51 27.43,81.68 29.35,83.6 33.16,83.6 R78.1 R17.1
/VGA_R5: length 43.5
  Top w0.2: U3.144 8.45,58.9 10.05,60.5 10.77,60.5 15.27,65 18.63,65 21.95,68.32 21.95,69.05 24.35,71.45 v1(26.5,71.45)
  Bottom w0.2: R15.1 29.5,84.31 27.03,81.84 27.03,71.68 26.8,71.45 v1(26.5,71.45) ; R76.1 R16.1
/VGA_VS: length 60.4
  Top w0.2: v1(48.8,83.25) 49,83.05 49.05,83.05 49.7,82.4 v1(49.7,81.2) ; v1(24.31,68.3) 24.31,67.85 19.46,63 16.1,63 12.45,59.35 U3.136
  Bottom w0.2: R101.2 49.7,80.91 v1(49.7,81.2) ; R42.1 49.58,83.25 v1(48.8,83.25) 42.94,83.25 42.14,82.45 37.28,82.45 36.88,82.05 34.47,82.05 34.02,81.6 30.2,81.6 29.43,80.83 29.43,70.61 26.6,67.79 24.82,67.79 v1(24.31,68.3)
/VS: length 12.9
  Top w0.2: J9.14 53.27,94.93 arc(53.19,94.55) 52.98,94.23 52.44,93.69 arc(52.23,93.37) 52.15,92.98 52.15,92.4 51.35,91.6 v1(50.1,91.6)
  Bottom w0.2: R42.2 50.1,86.9 v1(50.1,91.6)
/~{JOY0_B1}: length 43.2
  Top w0.2: U2.10 60.01,44.4 62.51,41.9 79.12,41.9 83.22,37.8 90.43,37.8 93.73,34.5 95.73,34.5 J1.6
/~{JOY0_B2}: length 42.9
  Top w0.2: U2.9 59.94,43.9 62.34,41.5 78.96,41.5 83.06,37.4 90.27,37.4 93.2,34.47 93.2,32.05 J1.9
/~{JOY0_DOWN}: length 46.8
  Top w0.2: U2.11 60.07,44.9 62.67,42.3 79.29,42.3 83.39,38.2 90.6,38.2 91.7,37.1 97.42,37.1 98.2,37.88 98.2,39.75 J1.2
/~{JOY0_LEFT}: length 39.6
  Top w0.2: U2.16 59.37,47.4 59.67,47.1 60.14,47.1 63.34,43.9 79.95,43.9 84.05,39.8 92.88,39.8 94.32,38.36
/~{JOY0_RIGHT}: length 46.6
  Top w0.2: U2.13 59.64,45.9 62.84,42.7 79.46,42.7 83.56,38.6 91.1,38.6 v1(92,37.7)
  Bottom w0.2: J1.4 95.8,37.11 95.8,35.15 95.25,34.6 93.95,34.6 92,36.55 v1(92,37.7)
/~{JOY0_UP}: length 41
  Top w0.2: U2.14 59.24,46.4 59.34,46.3 59.81,46.3 63.01,43.1 79.62,43.1 83.72,39 91.6,39 v1(92,38.6)
  Bottom w0.2: v1(92,38.6) 92,39.9 93,40.9 J1.1
/~{JOY1_B1}: length 59.5
  Top w0.2: U2.23 53.55,50.51 53.25,50.81 v1(53.25,51.39) ; J3.6 95.8,52.73 95.8,46.3 91.3,41.8 84.9,41.8 80.8,45.9 64.73,45.9 62.33,48.3 60.22,48.3 57.79,50.73 v1(57.79,51)
  Bottom w0.2: v1(57.79,51) 57.33,50.54 55.8,50.54 54.74,51.6 53.46,51.6 v1(53.25,51.39)
/~{JOY1_B2}: length 53.7
  Top w0.2: U2.15 59.31,46.9 59.51,46.7 59.97,46.7 63.17,43.5 79.79,43.5 83.89,39.4 92.1,39.4 92.7,38.8 v1(92.7,38.2)
  Bottom w0.2: J3.9 95.8,47.61 95.8,37.8 95.1,37.1 93.8,37.1 v1(92.7,38.2)
/~{JOY1_DOWN}: length 92.2
  Top w0.2: v1(45.9,45.29) 46.01,45.4 U2.37 ; v1(62.2,45.89) 63.79,44.3 80.12,44.3 84.22,40.2 93.05,40.2 93.55,39.7 95.6,39.7 95.8,39.9 95.8,42.13 99.4,45.73 99.4,56.71 J3.2
  Bottom w0.2: v1(45.9,45.29) 46.57,44.63 46.57,38.31 50.14,34.74 57.94,34.74 62,38.8 62,45.69 v1(62.2,45.89)
/~{JOY1_LEFT}: length 68.7
  Top w0.2: U2.26 52.05,50.8 51.8,51.05 51.8,51.66 v1(51.77,51.69) ; v1(56.97,51.21) 56.97,50.93 60,47.9 62.17,47.9 64.57,45.5 80.63,45.5 84.73,41.4 91.47,41.4 94.44,44.37 96.3,44.37 98.2,46.27 98.2,54.46 97.53,55.13 95.9,55.13 J3.3
  Bottom w0.2: v1(56.97,51.21) 55.79,52.4 52.49,52.4 v1(51.77,51.69)
/~{JOY1_RIGHT}: length 66.3
  Top w0.2: v1(56.15,51.14) 56.2,51.14 59.54,47.8 59.54,47.8 59.84,47.5 62,47.5 64.4,45.1 80.45,45.1 84.55,41 91.65,41 94.62,43.97 96.47,43.97 98.6,46.1 98.6,54.97 J3.4 ; U2.25 52.55,51.18 v1(52.46,51.27)
  Bottom w0.2: v1(52.46,51.27) 52.46,51.48 52.98,52 55.29,52 v1(56.15,51.14)
/~{JOY1_UP}: length 91.2
  Top w0.2: v1(48.2,44.9) U2.38 ; v1(61.95,46.7) 62.23,46.7 64.23,44.7 80.28,44.7 84.38,40.6 91.82,40.6 94.79,43.57 96.67,43.57 99,45.9 99,56.2 97.53,57.67 95.9,57.67 J3.1
  Bottom w0.2: v1(48.2,44.9) 46.97,43.67 46.97,38.47 50.3,35.14 57.74,35.14 61.6,39 61.6,46.35 v1(61.95,46.7)
/~{LED_ARM}: length 45.1
  Top w0.2: v1(44.37,43.07) 44.7,43.4 U2.41 ; v1(32.95,8) 33.8,8.85 33.8,24.05 36.95,27.2 36.95,28.45 40.8,32.3 40.8,38.54 v1(41.8,39.54)
  Bottom w0.2: v1(44.37,43.07) 44.37,40.97 42.94,39.54 v1(41.8,39.54) ; R45.2 v1(32.95,8)
/~{LED_FPGA}: length 78.8
  Top w0.2: v1(4.45,53.2) 4.65,53 U3.7 ; v1(17.2,4.45) 17.2,1.35 16.8,0.95 3.45,0.95 v1(3.35,1.05)
  Bottom w0.2: v1(3.35,1.05) 3.05,1.05 0.8,3.3 0.8,32.42 5.3,36.92 5.3,39.71 4.65,40.36 4.65,53 v1(4.45,53.2) ; R46.2 17.19,7.18 17.19,4.46 v1(17.2,4.45)
/~{RAM_CAS}: length 9.8
  Top w0.2: 14.8,30.96 16.38,32.54 17.64,32.54 20.15,35.05 21.55,35.35 21.95,35.75 U3.64
/~{RAM_CS}: length 9.1
  Top w0.2: U3.59 19.45,35.65 17.28,33.48 15.72,33.48 13.2,30.96
/~{RAM_RAS}: length 8.9
  Top w0.2: 14,30.96 16.05,33.01 17.46,33.01 19.95,35.5 U3.60
/~{RAM_WE}: length 10.2
  Top w0.2: 15.6,30.96 16.71,32.07 17.82,32.07 18.13,32.37 19.9,33.3 20.9,33.3 22.95,35.35 U3.66
/~{RST}: length 264.5
  Top w0.2: 91.2,28.95 v1(92.1,28.95) ; 91.2,28.95 U14.1 91.2,14.3 90.15,13.25 90.15,9.2 88.5,7.55 85.95,7.55 83.6,5.2 83.6,1.7 83.08,1.18 81.4,1.18 ; 91.2,28.95 90.8,29.35 86.9,29.35 86.5,29.75 74.5,29.75 v1(73.5,28.75) ; v1(62.3,51.9) 62.5,51.7 62.5,50.9 62.7,50.7 U4.12 ; v1(35.22,45.3) 39.63,45.3 v1(42.35,42.58) ; v1(99.45,75.9) 89.9,75.9 84.05,70.05 U5.40 ; 81.4,1.18 81.4,2.3 81.7,2.6 81.7,8.45 81.1,9.05 81.1,9.92 80.2,10.82 80.2,13.5 79.8,13.9 79.8,16.5 78.55,17.75 J18.6 ; 81.4,1.18 79.72,1.18 v1(78.9,2) ; v1(66.05,28.45) 66.05,28.23 67.05,27.23 68.92,27.23 J14.10 ; v1(53.55,34.14) 53.55,32.9 55.65,30.8 56.87,30.8 57.39,30.28 v1(64.42,30.28) ; U2.39 43.04,44.4 v1(42.65,44.79) ; U3.89 29.68,46.5 30.88,45.3 v1(30.98,45.3)
  Bottom w0.2: 57.97,6.15 57.97,5.45 R68.2 61.72,1.7 78.6,1.7 v1(78.9,2) ; J14.10 73.13,28.38 v1(73.5,28.75) ; v1(42.65,44.79) 42.35,44.49 v1(42.35,42.58) 42.35,41.99 41.1,40.74 41.1,37.6 42,36.7 47.6,36.7 50.16,34.14 v1(53.55,34.14) 57.9,34.14 62.4,38.63 62.4,44.95 62.8,45.35 62.8,51.4 v1(62.3,51.9) ; v1(35.22,45.3) v1(30.98,45.3) ; v1(64.42,30.28) 66.05,28.65 v1(66.05,28.45) ; v1(99.45,75.9) 99.45,29.75 98.65,28.95 v1(92.1,28.95)
